# Altium PCB master.PcbDoc (part 1 of 10) (continued)
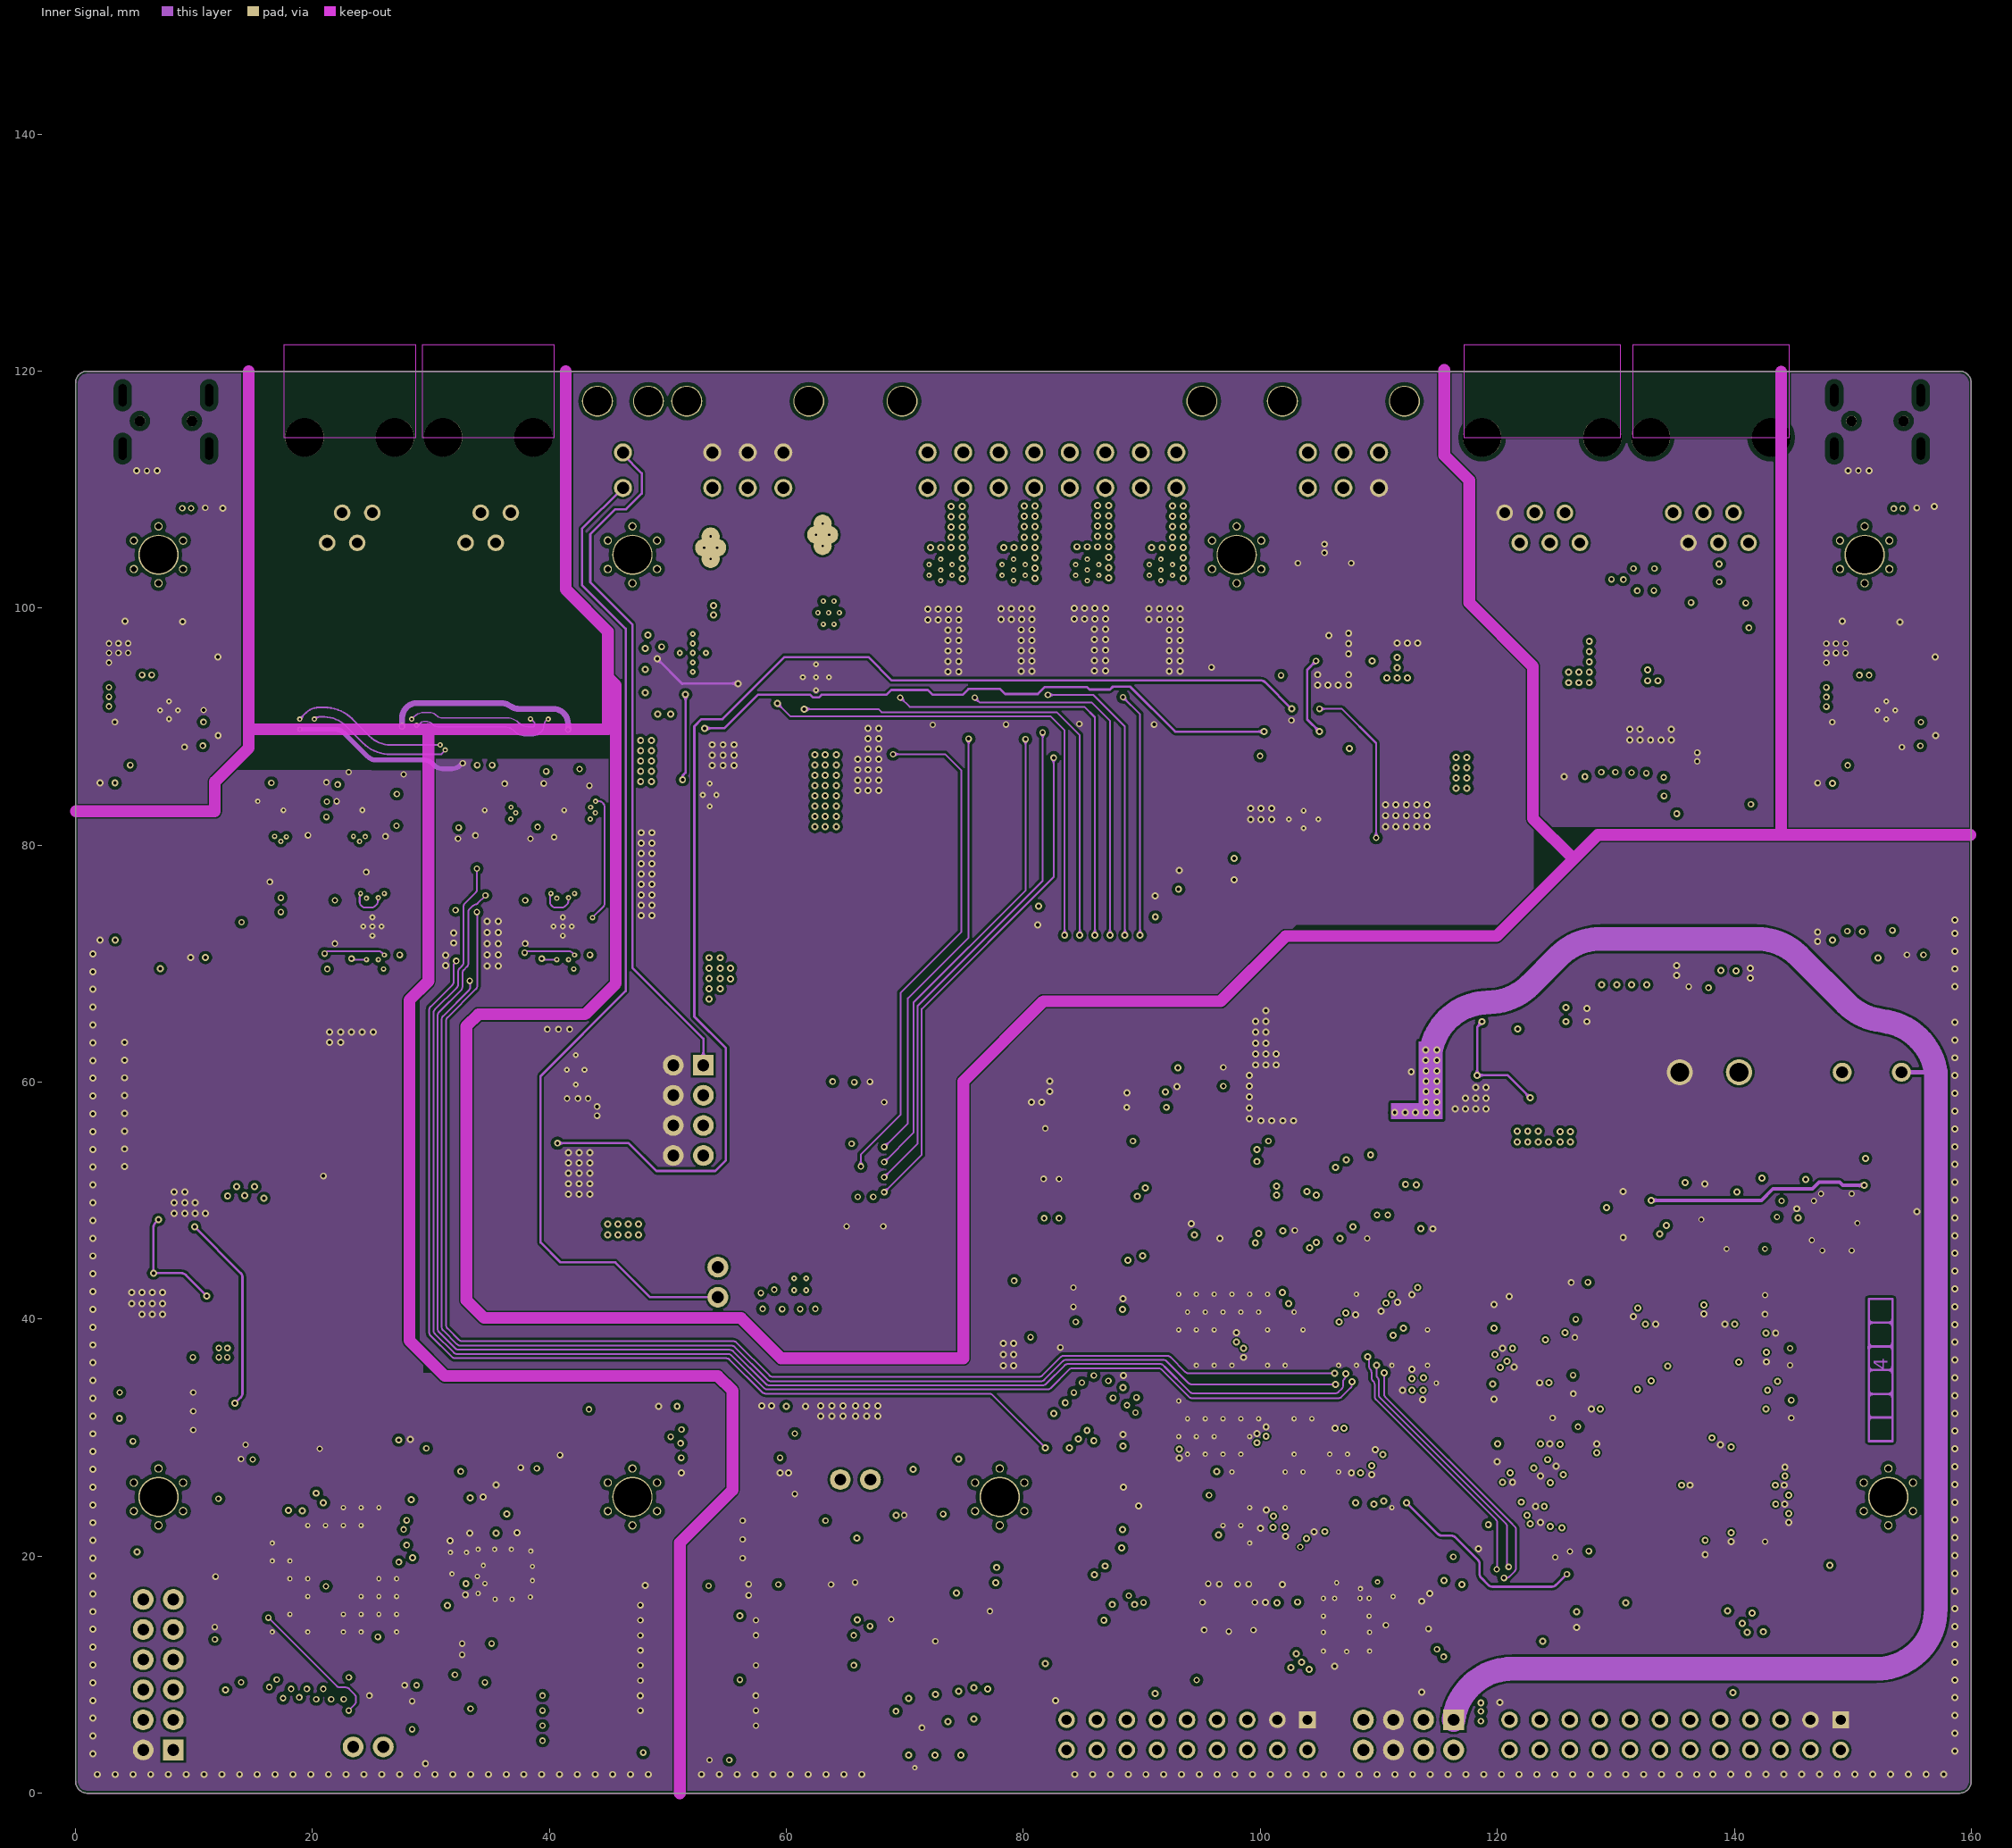
[diagram p4: Inner Signal]
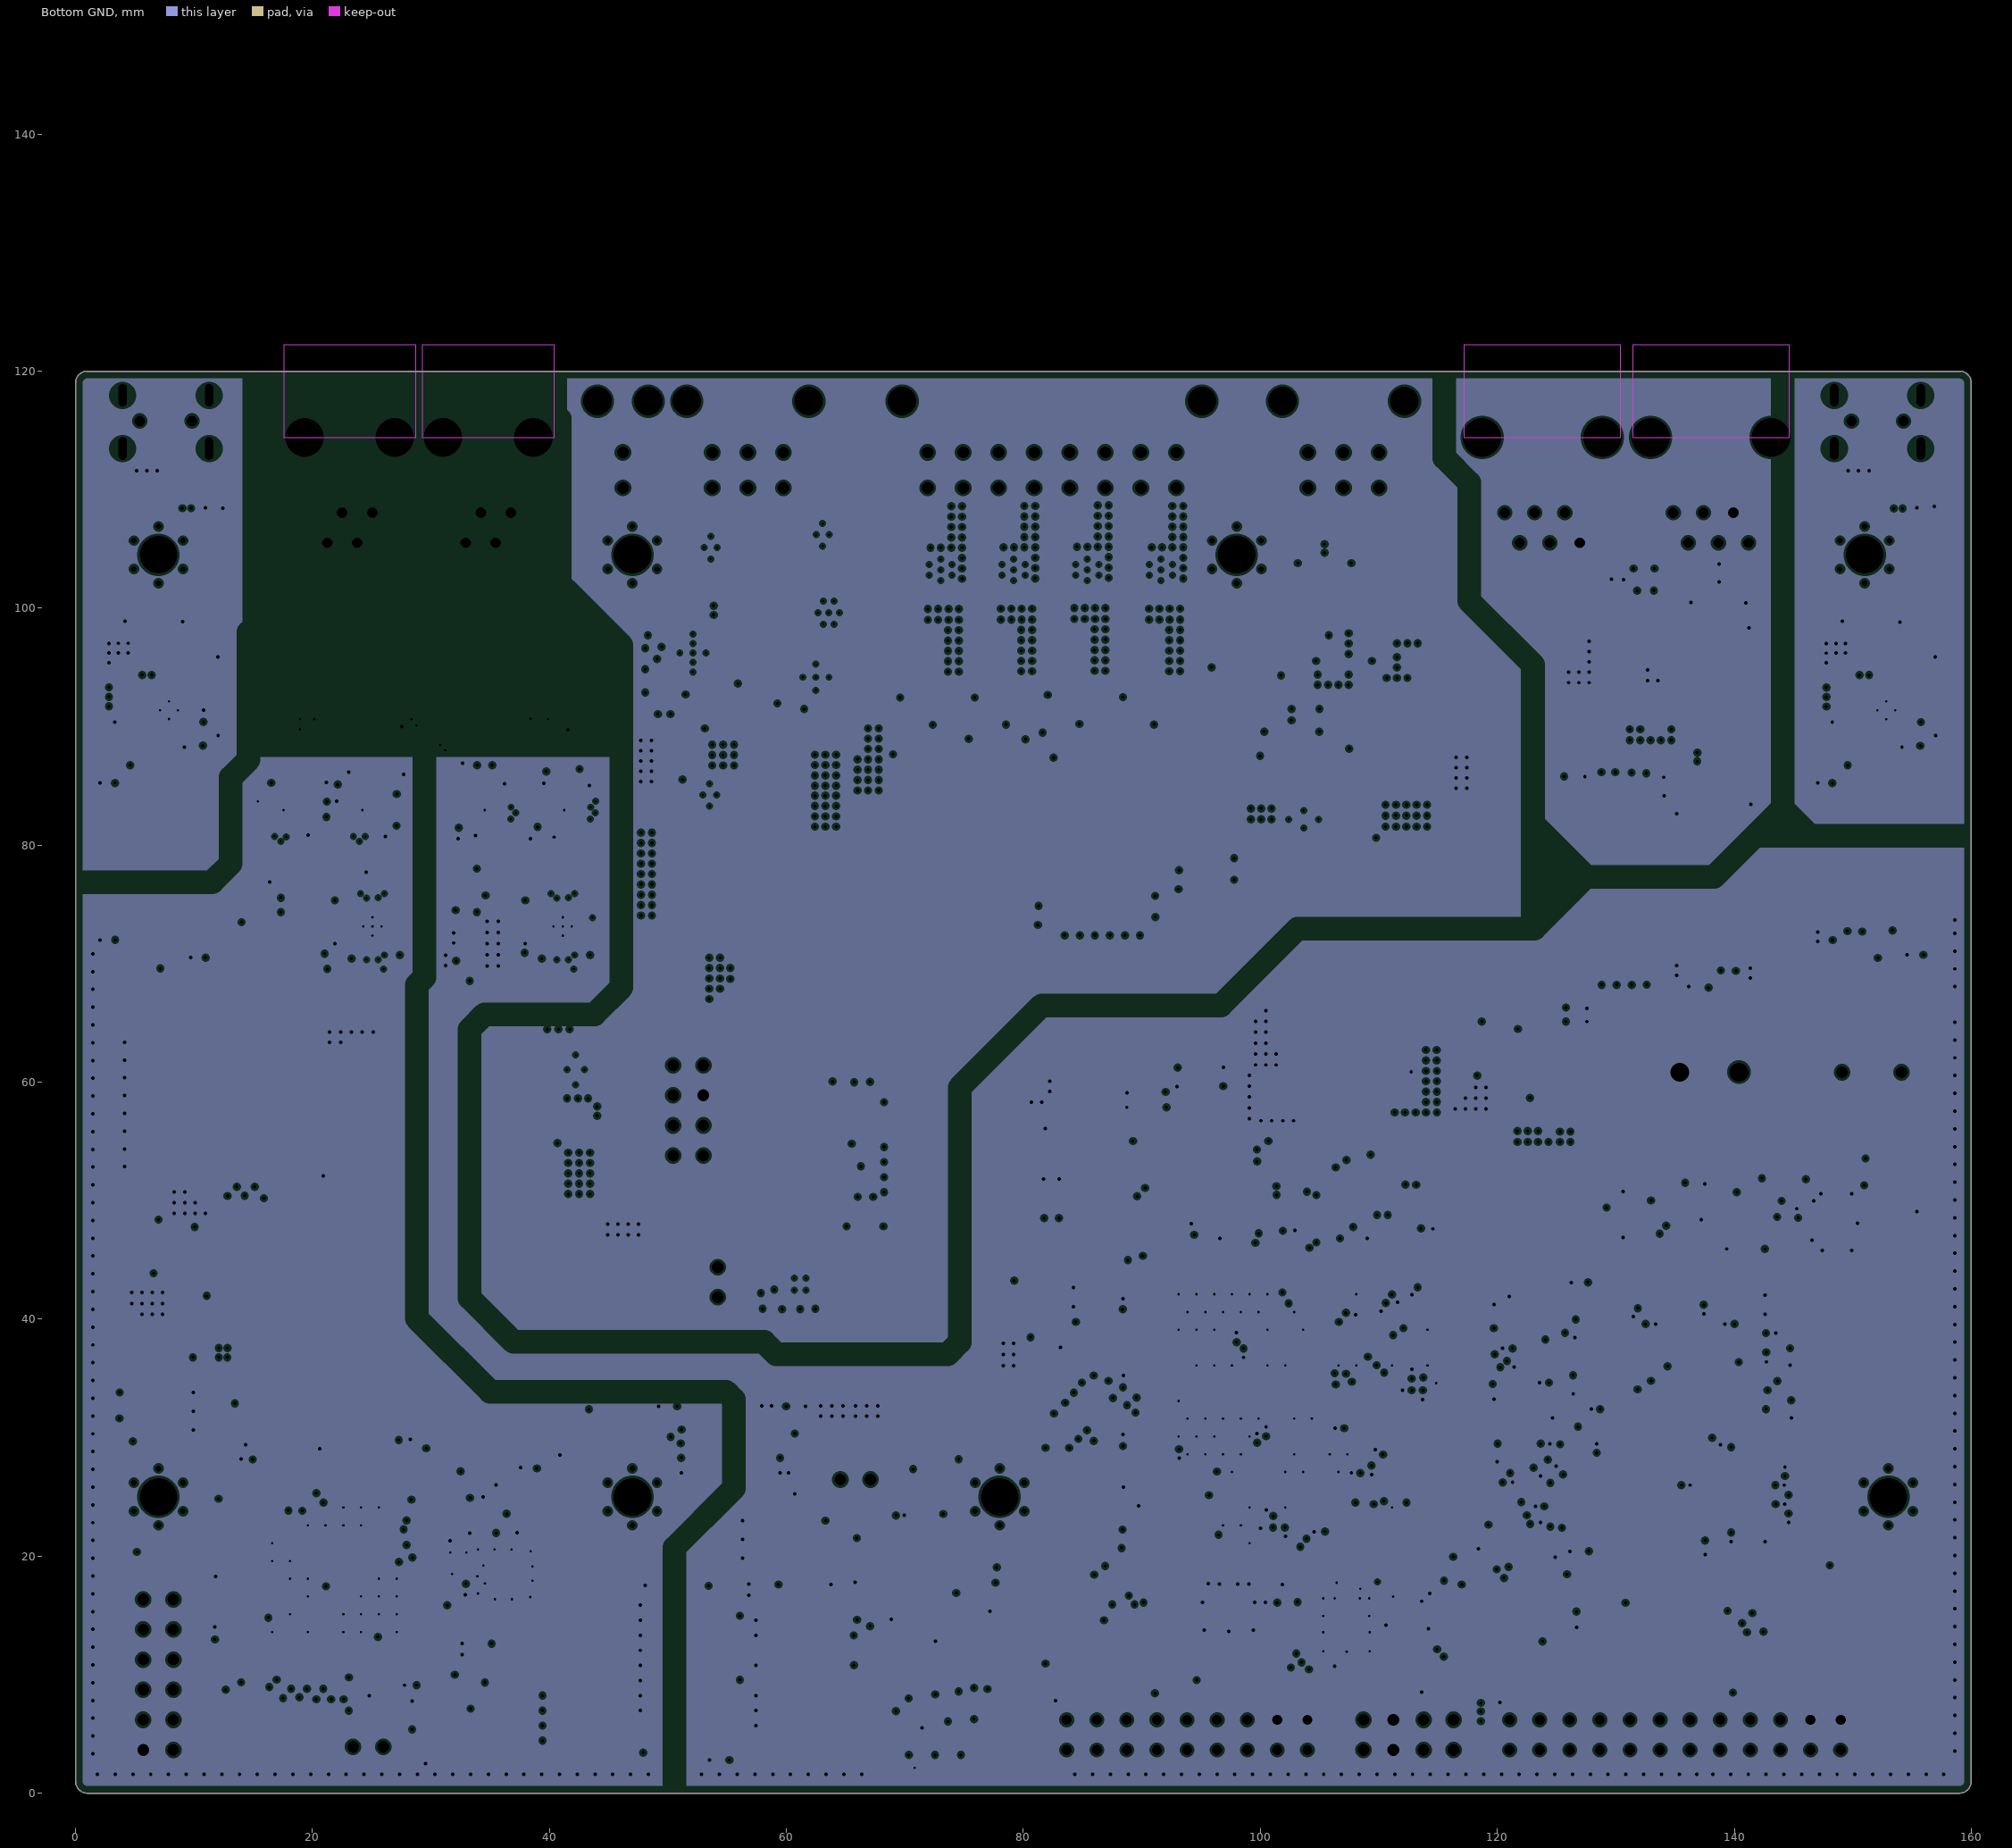
[diagram p5: Bottom GND, clearances drawn from the general rule]

## Layer stack, top to bottom
Top Solder: solder mask 0.02, Solder Resist, Dk 3.8
Top Signal: signal copper 0.036
Dielectric 1: prepreg 0.1, PP-015, Dk 4.05
Top GND: plane copper 0.018, net (Multiple Nets)
Dielectric 4: core 0.565, Core-036, Dk 4.6
Inner PWR: plane copper 0.018, net (Multiple Nets)
Dielectric 2: prepreg 0.127, PP-015, Dk 4.25
Inner Signal: signal copper 0.018
Dielectric 5: core 0.565, Core-036, Dk 4.6
Bottom GND: plane copper 0.018, net (Multiple Nets)
Dielectric 3: prepreg 0.1, PP-015, Dk 4.05
Bottom Signal: signal copper 0.036
Bottom Solder: solder mask 0.02, Solder Resist, Dk 3.8

## Board outline
159,0 1,0 cw(c1,1) 0,1 0,119 cw(c1,119) 1,120 159,120 cw(c159,119) 160,119 160,1 cw(c159,1)

## Design rules (kind name [scope] priority, off if disabled: settings)
AssemblyTestPointUsage [All] p1 off:
AssemblyTestpoint [(IsPad And (OnTopLayer Or OnBottomLayer)) Or (IsPad And OnMultiLayer)] p1 off: testpointundercomponent=FALSE minsize=1.016 maxsize=2.54 preferedsize=1.524 minholesize=0 maxholesize=1.016 preferedholesize=0.813 testpointgrid=0.025 usegrid=TRUE gridtolerance=0 allowsidetop=TRUE
BoardOutlineClearance [not IsKeepOut] p1: gap=0.203 ignorepadtopadclearanceinfootprint=FALSE except(0.508: Arc-CavityEdge Track-CavityEdge SMDPad-CavityEdge THPad-CavityEdge Via-CavityEdge Fill-CavityEdge Poly-CavityEdge Region-CavityEdge Text-CavityEdge)
Clearance "USB Clear" [(InNet('USB_GND_1') or InNet('USB_GND_2')) And OnLayer('Top Signal') vs InDifferentialPairClass('USB_DP')] p1: gap=0.15 ignorepadtopadclearanceinfootprint=TRUE except(0.1: Arc-Arc Arc-Track Arc-SMDPad Arc-THPad Track-Track Track-SMDPad Track-THPad SMDPad-SMDPad SMDPad-THPad THPad-THPad; 0.127: Arc-Via Track-Via SMDPad-Via THPad-Via Via-Via Via-Text; 0.2: Arc-Hole Track-Hole SMDPad-Hole THPad-Hole Via-Hole Fill-Hole Poly-Hole Region-Hole Text-Hole; 0.3: Arc-Fill Arc-Poly Arc-Region Track-Fill Track-Poly Track-Region SMDPad-Fill SMDPad-Poly SMDPad-Region Via-Fill Via-Poly Via-Region)
Clearance OverlayClear [IsDesignator and OnSilkscreen vs InPoly] p2: gap=0.2 ignorepadtopadclearanceinfootprint=TRUE
Clearance PolygonOverlay [IsPad vs InPoly and OnSilkscreen] p3: gap=0.15 ignorepadtopadclearanceinfootprint=TRUE except(0.1: Arc-Arc Arc-Track Arc-SMDPad Arc-THPad Track-Track Track-SMDPad Track-THPad SMDPad-SMDPad SMDPad-THPad THPad-THPad; 0.127: Arc-Via Arc-Fill Arc-Poly Arc-Region Track-Via Track-Fill Track-Poly Track-Region SMDPad-Via THPad-Via Via-Via Via-Fill Via-Poly Via-Region Via-Text; 0.2: Arc-Hole Track-Hole SMDPad-Hole THPad-Hole Via-Hole Fill-Hole Poly-Hole Region-Hole Text-Hole)
Clearance PolygonClear [IsKeepOut vs InPoly] p4: gap=0.15 ignorepadtopadclearanceinfootprint=TRUE except(0.1: Arc-Arc Arc-Track Arc-SMDPad Arc-THPad Track-Track Track-SMDPad Track-THPad SMDPad-SMDPad SMDPad-THPad THPad-THPad; 0.127: Arc-Via Arc-Fill Arc-Poly Arc-Region Track-Via Track-Fill Track-Poly Track-Region SMDPad-Via THPad-Via Via-Via Via-Fill Via-Poly Via-Region Via-Text Via-Hole)
Clearance "Schematic Clearance Constraint" [InNetClass('FMC.SDRAM')] p5: gap=0.12 ignorepadtopadclearanceinfootprint=FALSE except(0: Arc-Hole Track-Hole SMDPad-Hole THPad-Hole Via-Hole Fill-Hole Poly-Hole Region-Hole Text-Hole; 0.127: Arc-Via Track-Via Via-Via Via-Fill Via-Poly Via-Region; 0.2: Arc-Text Track-Text SMDPad-Text THPad-Text Via-Text Fill-Text Poly-Text Region-Text Text-Text)
Clearance Outer-LV-GAP_ISO_EXT [InNetClass('ISO_EXT') and OnOutside and not IsKeepOut vs (InNetClass('ISO_EXT') = false) and OnOutside and (IsKeepOut = false) and (InNetClass('ISO_MCU') or InNetClass('ISO_MCU_SEC') or InNetClass('ISO_MCU_USB') or InNetClass('ISO_COM'))] p6: gap=1.8 ignorepadtopadclearanceinfootprint=TRUE except(0: Arc-Text Track-Text SMDPad-Text THPad-Text Via-Text Fill-Text Poly-Text Region-Text Text-Text; 0.2: Arc-Hole Track-Hole SMDPad-Hole THPad-Hole Via-Hole Fill-Hole Poly-Hole Region-Hole Text-Hole; 3: Arc-SMDPad Arc-THPad Track-SMDPad Track-THPad SMDPad-SMDPad SMDPad-THPad THPad-THPad) // 600VDC Outer Gap
Clearance InnerLV-GAP_ISO_EXT [InNetClass('ISO_EXT') and OnMid and not IsKeepOut vs not InNetClass('ISO_EXT') and OnMid and (InNetClass('ISO_MCU') or InNetClass('ISO_MCU_SEC') or InNetClass('ISO_MCU_USB') or InNetClass('ISO_COM'))] p7: gap=0.7 ignorepadtopadclearanceinfootprint=TRUE except(0: Arc-Text Track-Text SMDPad-Text THPad-Text Via-Text Fill-Text Poly-Text Region-Text Text-Text; 0.2: Arc-Hole Track-Hole SMDPad-Hole THPad-Hole Via-Hole Fill-Hole Poly-Hole Region-Hole Text-Hole) // 600VDC Inner Gap
Clearance Outer-LV-GAP_ISO_MCU [InNetClass('ISO_MCU')  and OnOutside       and not IsKeepOut vs (not InNetClass('ISO_MCU')) and OnOutside and not IsKeepOut and (InNetClass('ISO_EXT') or InNetClass('ISO_MCU_SEC') or InNetClass('ISO_MCU_USB')or InNetClass('ISO_COM'))] p8: gap=1.8 ignorepadtopadclearanceinfootprint=TRUE except(0: Arc-Text Track-Text SMDPad-Text THPad-Text Via-Text Fill-Text Poly-Text Region-Text Text-Text; 0.2: Arc-Hole Track-Hole SMDPad-Hole THPad-Hole Via-Hole Fill-Hole Poly-Hole Region-Hole Text-Hole; 3: SMDPad-SMDPad SMDPad-THPad THPad-THPad) // 600VDC Outer Gap
Clearance Inner-LV-GAP_ISO_MCU [InNetClass('ISO_MCU') and OnMid and not IsKeepOut vs not InNetClass('ISO_MCU') and OnMid and (InNetClass('ISO_EXT') or InNetClass('ISO_MCU_SEC') or InNetClass('ISO_MCU_USB'or InNetClass('ISO_COM')))] p9: gap=0.7 ignorepadtopadclearanceinfootprint=TRUE except(0: Arc-Text Track-Text SMDPad-Text THPad-Text Via-Text Fill-Text Poly-Text Region-Text Text-Text; 0.2: Arc-Hole Track-Hole SMDPad-Hole THPad-Hole Via-Hole Fill-Hole Poly-Hole Region-Hole Text-Hole) // 600VDC Outer Gap
Clearance Outer-LV-GAP_ISO_MCU_SEC [InNetClass('ISO_MCU_SEC') and OnOutside and not IsKeepOut vs (not InNetClass('ISO_MCU_SEC')) and OnOutside and not IsKeepOut and (InNetClass('ISO_EXT') or InNetClass('ISO_MCU') or InNetClass('ISO_MCU_USB')or InNetClass('ISO_COM'))] p10: gap=1.8 ignorepadtopadclearanceinfootprint=TRUE except(0: Arc-Text Track-Text SMDPad-Text THPad-Text Via-Text Fill-Text Poly-Text Region-Text Text-Text; 0.2: Arc-Hole Track-Hole SMDPad-Hole THPad-Hole Via-Hole Fill-Hole Poly-Hole Region-Hole Text-Hole; 3: SMDPad-SMDPad SMDPad-THPad THPad-THPad) // 600VDC Outer Gap
Clearance Inner-LV-GAP_ISO_MCU_SEC [InNetClass('ISO_MCU_SEC') and OnMid and not IsKeepOut vs not InNetClass('ISO_MCU_SEC') and OnMid and (InNetClass('ISO_EXT') or InNetClass('ISO_MCU') or InNetClass('ISO_MCU_USB')or InNetClass('ISO_COM'))] p11: gap=0.7 ignorepadtopadclearanceinfootprint=TRUE except(0: Arc-Text Track-Text SMDPad-Text THPad-Text Via-Text Fill-Text Poly-Text Region-Text Text-Text; 0.2: Arc-Hole Track-Hole SMDPad-Hole THPad-Hole Via-Hole Fill-Hole Poly-Hole Region-Hole Text-Hole) // 600VDC Outer Gap
Clearance Outer-LV-GAP_ISO_USB [InNetClass('ISO_MCU_USB') and OnOutside and not IsKeepOut vs (not InNetClass('ISO_MCU_USB')) and OnOutside and not IsKeepOut and (InNetClass('ISO_EXT') or InNetClass('ISO_MCU') or InNetClass('ISO_MCU_SEC')or InNetClass('ISO_COM'))] p12: gap=1.8 ignorepadtopadclearanceinfootprint=TRUE except(0: Arc-Text Track-Text SMDPad-Text THPad-Text Via-Text Fill-Text Poly-Text Region-Text Text-Text; 0.2: Arc-Hole Track-Hole SMDPad-Hole THPad-Hole Via-Hole Fill-Hole Poly-Hole Region-Hole Text-Hole; 3: Arc-SMDPad Arc-THPad Track-SMDPad Track-THPad SMDPad-SMDPad SMDPad-THPad THPad-THPad) // 600VDC Outer Gap
Clearance Outer-LV-GAP_ISO_COM [InNetClass('ISO_COM') and OnOutside and not IsKeepOut vs (not InNetClass('ISO_COM') and not InNetClass('ISO_EXT')) and OnOutside and not IsKeepOut and (InNetClass('ISO_MCU') or InNetClass('ISO_MCU_SEC')or InNetClass('ISO_MCU_USB'))] p13: gap=1.8 ignorepadtopadclearanceinfootprint=TRUE except(0: Arc-Text Track-Text SMDPad-Text THPad-Text Via-Text Fill-Text Poly-Text Region-Text Text-Text; 0.2: Arc-Hole Track-Hole SMDPad-Hole THPad-Hole Via-Hole Fill-Hole Poly-Hole Region-Hole Text-Hole; 3: Arc-SMDPad Arc-THPad Track-SMDPad Track-THPad SMDPad-SMDPad SMDPad-THPad THPad-THPad) // 600VDC Outer Gap
Clearance Inner-LV-GAP_ISO_USB [InNetClass('ISO_MCU_USB') and OnMid and not IsKeepOut vs not InNetClass('ISO_MCU_USB') and OnMid     and (InNetClass('ISO_EXT') or InNetClass('ISO_MCU') or InNetClass('ISO_MCU_SEC')or InNetClass('ISO_COM'))] p14: gap=0.7 ignorepadtopadclearanceinfootprint=TRUE except(0: Arc-Text Track-Text SMDPad-Text THPad-Text Via-Text Fill-Text Poly-Text Region-Text Text-Text; 0.2: Arc-Hole Track-Hole SMDPad-Hole THPad-Hole Via-Hole Fill-Hole Poly-Hole Region-Hole Text-Hole) // 600VDC Outer Gap
Clearance Inner-LV-GAP_ISO_COM [InNetClass('ISO_COM') and OnMid and not IsKeepOut vs (not InNetClass('ISO_COM') and not InNetClass('ISO_EXT')) and OnMid and (InNetClass('ISO_MCU') or InNetClass('ISO_MCU_SEC')or InNetClass('ISO_MCU_USB'))] p15: gap=0.7 ignorepadtopadclearanceinfootprint=TRUE except(0: Arc-Text Track-Text SMDPad-Text THPad-Text Via-Text Fill-Text Poly-Text Region-Text Text-Text; 0.2: Arc-Hole Track-Hole SMDPad-Hole THPad-Hole Via-Hole Fill-Hole Poly-Hole Region-Hole Text-Hole) // 600VDC Outer Gap
Clearance InnerLayers [OnMid vs not IsKeepOut] p16: gap=0.2 ignorepadtopadclearanceinfootprint=TRUE except(0.127: Arc-Via Track-Via SMDPad-Via THPad-Via Via-Via Via-Fill Via-Poly Via-Region Via-Text Via-Hole; 0.4: Arc-Hole Track-Hole SMDPad-Hole THPad-Hole Fill-Hole Poly-Hole Region-Hole Text-Hole)
Clearance OuterLayers [OnOutside vs not IsKeepOut] p17: gap=0.15 ignorepadtopadclearanceinfootprint=TRUE except(0.1: Arc-Arc Arc-Track Arc-SMDPad Arc-THPad Track-Track Track-SMDPad Track-THPad SMDPad-SMDPad SMDPad-THPad THPad-THPad; 0.127: Arc-Via Arc-Fill Arc-Poly Arc-Region Track-Via Track-Fill Track-Poly Track-Region SMDPad-Via THPad-Via Via-Via Via-Fill Via-Poly Via-Region Via-Text; 0.2: Arc-Hole Track-Hole SMDPad-Hole THPad-Hole Via-Hole Fill-Hole Poly-Hole Region-Hole Text-Hole)
ComponentClearance [All] p1: gap=0.1 collisioncheckmode=3 verticalgap=0.1 showdistances=TRUE
Creepage [InNetClass('ISO_EXT') vs InNetClass('ISO_MCU') or InNetClass('ISO_MCU_SEC')] p1: checkdistance=3
DiffPairsRouting "USB Diff Pair" [InDifferentialPairClass('USB_DP')] p1: maxlimit=0.152 minlimit=0.127 mostfreqgap=0.152 toplayer_maxgap=0.127 toplayer_prefgap=0.127 toplayer_minwidth=0.136 toplayer_maxwidth=0.363 toplayer_prefwidth=0.136 midlayer1_mingap=0.152 midlayer1_minwidth=0.1 midlayer1_maxwidth=0.269 midlayer1_prefwidth=0.102 bottomlayer_maxgap=0.127 bottomlayer_prefgap=0.127 bottomlayer_minwidth=0.136 bottomlayer_maxwidth=0.363 bottomlayer_prefwidth=0.136 impedanceprofiledriven=TRUE impedanceprofileid={58B926FE-F0F3-41F5-9B80-74B757B6F645} impedanceprofilevalue=90.000000 maxuncoupledlength=12.7
DiffPairsRouting "RS485_CAN Diff Pair" [InDifferentialPairClass('All Differential Pairs')] p2: maxlimit=2 minlimit=0.127 mostfreqgap=0.65 toplayer_mingap=0.352 toplayer_maxgap=0.495 toplayer_prefgap=0.495 toplayer_minwidth=0.102 toplayer_maxwidth=0.279 toplayer_prefwidth=0.102 midlayer1_minwidth=0.024 midlayer1_maxwidth=0.152 midlayer1_prefwidth=0.152 bottomlayer_maxgap=0.495 bottomlayer_prefgap=0.495 bottomlayer_minwidth=0.082 bottomlayer_maxwidth=0.279 bottomlayer_prefwidth=0.102 impedanceprofiledriven=TRUE impedanceprofileid={F6003B0E-2D54-46C0-BA7B-78A28DFDCE2B} impedanceprofilevalue=120.000000 maxuncoupledlength=12.7
FabricationTestpoint [All] p1: side=1 testpointundercomponent=TRUE minsize=0.508 maxsize=7.62 preferedsize=1.524 minholesize=0 maxholesize=1.016 preferedholesize=0.813 testpointgrid=0.025 allowsidetop=TRUE usegrid=FALSE gridtolerance=0
HoleSize [All] p1: absolutevalues=TRUE maxlimit=6.4 minlimit=0.2 maxpercent=80.000 minpercent=20.000
HoleToHoleClearance [All] p1: gap=0.377 allowstackedmicrovias=FALSE
Length "Schematic Length Constraint" [InNetClass('FMC.SDRAM')] p1: maxlimit=120 minlimit=0
MatchedLengths "Schematic Matched Net Lengths_2" [InNetClass('FMC.CMD')] p1: tolerance=10 checknetsindiffpair=FALSE checkdiffpairvsdiffpair=TRUE checkxsignals=TRUE checkothers=TRUE
MatchedLengths "Schematic Matched Net Lengths_3" [InNetClass('FMC.CNTRL')] p2: tolerance=20 checknetsindiffpair=FALSE checkdiffpairvsdiffpair=TRUE checkxsignals=TRUE checkothers=TRUE
MatchedLengths "Schematic Matched Net Lengths_1" [InNetClass('FMC.DQM')] p3: tolerance=10 checknetsindiffpair=FALSE checkdiffpairvsdiffpair=TRUE checkxsignals=TRUE checkothers=TRUE
MatchedLengths "Schematic Matched Net Lengths" [InNetClass('FMC.ADR')] p4: tolerance=10 checknetsindiffpair=FALSE checkdiffpairvsdiffpair=TRUE checkxsignals=TRUE checkothers=TRUE
MaxMinImpedance "Schematic Impedance Constraint" [InNetClass('FMC.SDRAM')] p1: minimum=50.00 maximum=60.00
MinimumAnnularRing [All] p1: minimumring=0.1
MinimumSolderMaskSliver [All] p1: minsoldermaskwidth=0.05
NetAntennae [not InNet('CAN_GND_INT')  and not InNet('GND_1')] p1: netantennaetolerance=0
PlaneClearance [All] p1: clearance=0.2
PlaneConnect [All] p1: planeconnectstyle=Direct reliefexpansion=0.45 reliefentries=4 reliefconductorwidth=0.4 reliefairgap=0.2
PolygonConnect "Polygon Connect Inner" [All vs OnMid or OnMultiLayer] p1: connectstyle=Direct reliefconductorwidth=0.4 reliefentries=4 polygonreliefangle="45 Angle" airgapwidth=0.15
PolygonConnect "Polygon Connect Outer Large Pad" [All vs OnOutside and (PadXSize_TopLayer > 1.5) and (PadYSize_TopLayer > 1.5 )] p2: thpad.connectstyle=Direct thpad.reliefconductorwidth=0.4 thpad.reliefentries=4 thpad.polygonreliefangle="90 Angle" thpad.airgapwidth=0.15 smdpad.connectstyle=Relief smdpad.reliefconductorwidth=1.2 smdpad.reliefentries=4 smdpad.polygonreliefangle="90 Angle" smdpad.airgapwidth=0.25 via.connectstyle=Direct via.reliefconductorwidth=0.4 via.reliefentries=4 via.polygonreliefangle="45 Angle" via.airgapwidth=0.15
PolygonConnect "Polygon Connect Outer Medium Pad_1" [All vs OnOutside and (PadXSize_TopLayer > 0.5) and (PadYSize_TopLayer > 0.5 )] p3: thpad.connectstyle=Direct thpad.reliefconductorwidth=0.4 thpad.reliefentries=4 thpad.polygonreliefangle="90 Angle" thpad.airgapwidth=0.15 smdpad.connectstyle=Relief smdpad.reliefconductorwidth=0.4 smdpad.reliefentries=4 smdpad.polygonreliefangle="90 Angle" smdpad.airgapwidth=0.15 via.connectstyle=Direct via.reliefconductorwidth=0.4 via.reliefentries=4 via.polygonreliefangle="45 Angle" via.airgapwidth=0.15
PolygonConnect "Polygon Connect Outer" [All vs OnOutside] p4: thpad.connectstyle=Relief thpad.reliefconductorwidth=0.8 thpad.reliefentries=4 thpad.polygonreliefangle="90 Angle" thpad.airgapwidth=0.25 smdpad.connectstyle=Relief smdpad.reliefconductorwidth=0.25 smdpad.reliefentries=4 smdpad.polygonreliefangle="90 Angle" smdpad.airgapwidth=0.15 via.connectstyle=Direct via.reliefconductorwidth=0.4 via.reliefentries=4 via.polygonreliefangle="45 Angle" via.airgapwidth=0.15
ReturnPath "ReturnPath SDRAM" [InNetClass('FMC.SDRAM')] p1: impedanceprofileid={E2543C6F-5D54-4176-A402-867BFB875A03} _gaplimit=0 _useantipads=TRUE
ReturnPath "ReturnPath Default" [All] p2: impedanceprofileid={25B373F9-48EE-4B95-8086-053001E6EBDF} _gaplimit=0
RoomDefinition "Primary LTC68201U_0301_LTC6820_reverse2" [InComponentClass('Primary LTC68201U_0301_LTC6820_reverse2')] p1: confinementstyle=ConfineIn formatcopy=TRUE lockcomponents=FALSE outline -25.4,-25.4 25.4,-25.4 25.4,0 -25.4,0
RoomDefinition "Primary LTC68201U_0301_LTC6820_forward1" [InComponentClass('Primary LTC68201U_0301_LTC6820_forward1')] p2: confinementstyle=ConfineIn formatcopy=TRUE lockcomponents=FALSE outline -25.4,-25.4 25.4,-25.4 25.4,0 -25.4,0
RoomDefinition MCU_1_VCC [InComponentClass('MCU_1_VCC')] p3: confinementstyle=ConfineIn formatcopy=TRUE lockcomponents=FALSE outline 15.908,49.633 3.537,49.633 3.537,38.238 15.908,38.238
RoomDefinition MCU_1_ISO [InComponentClass('MCU_1_ISO')] p4: confinementstyle=ConfineIn formatcopy=TRUE lockcomponents=FALSE outline 47.145,69.568 16.16,69.568 16.16,49.193 47.145,49.193
RoomDefinition MCU_0_VCC [InComponentClass('MCU_0_VCC')] p5: confinementstyle=ConfineIn formatcopy=TRUE lockcomponents=FALSE outline 127.587,66.344 115.216,66.344 115.216,54.949 127.587,54.949
RoomDefinition MCU_0_ISO [InComponentClass('MCU_0_ISO')] p6: confinementstyle=ConfineIn formatcopy=TRUE lockcomponents=FALSE outline 96.782,90.653 96.782,59.668 114.198,59.668 114.198,90.653
RoomDefinition EXT_SUPPLY_VCC [InComponentClass('EXT_SUPPLY_VCC')] p7: confinementstyle=ConfineIn formatcopy=TRUE lockcomponents=FALSE outline 61.344,72.844 61.344,89.011 47.264,89.011 47.264,72.844
RoomDefinition COM_EXT_ISO [InComponentClass('COM_EXT_ISO')] p8: confinementstyle=ConfineIn formatcopy=TRUE lockcomponents=FALSE outline 103.248,89.984 134.149,89.984 134.149,102.654 103.248,102.654
RoomDefinition U_08_CAN1 [InComponentClass('U_08_CAN1')] p9: confinementstyle=ConfineIn formatcopy=TRUE lockcomponents=FALSE outline 117.526,72.049 144.937,72.049 144.937,122.515 117.526,122.515
RoomDefinition U_08_CAN0 [InComponentClass('U_08_CAN0')] p10: confinementstyle=ConfineIn formatcopy=TRUE lockcomponents=FALSE outline 98.549,70.028 121.361,70.028 121.361,119.99 98.549,119.99